# Altium PCB STguitar.PcbDoc (part 1 of 3) (continued)
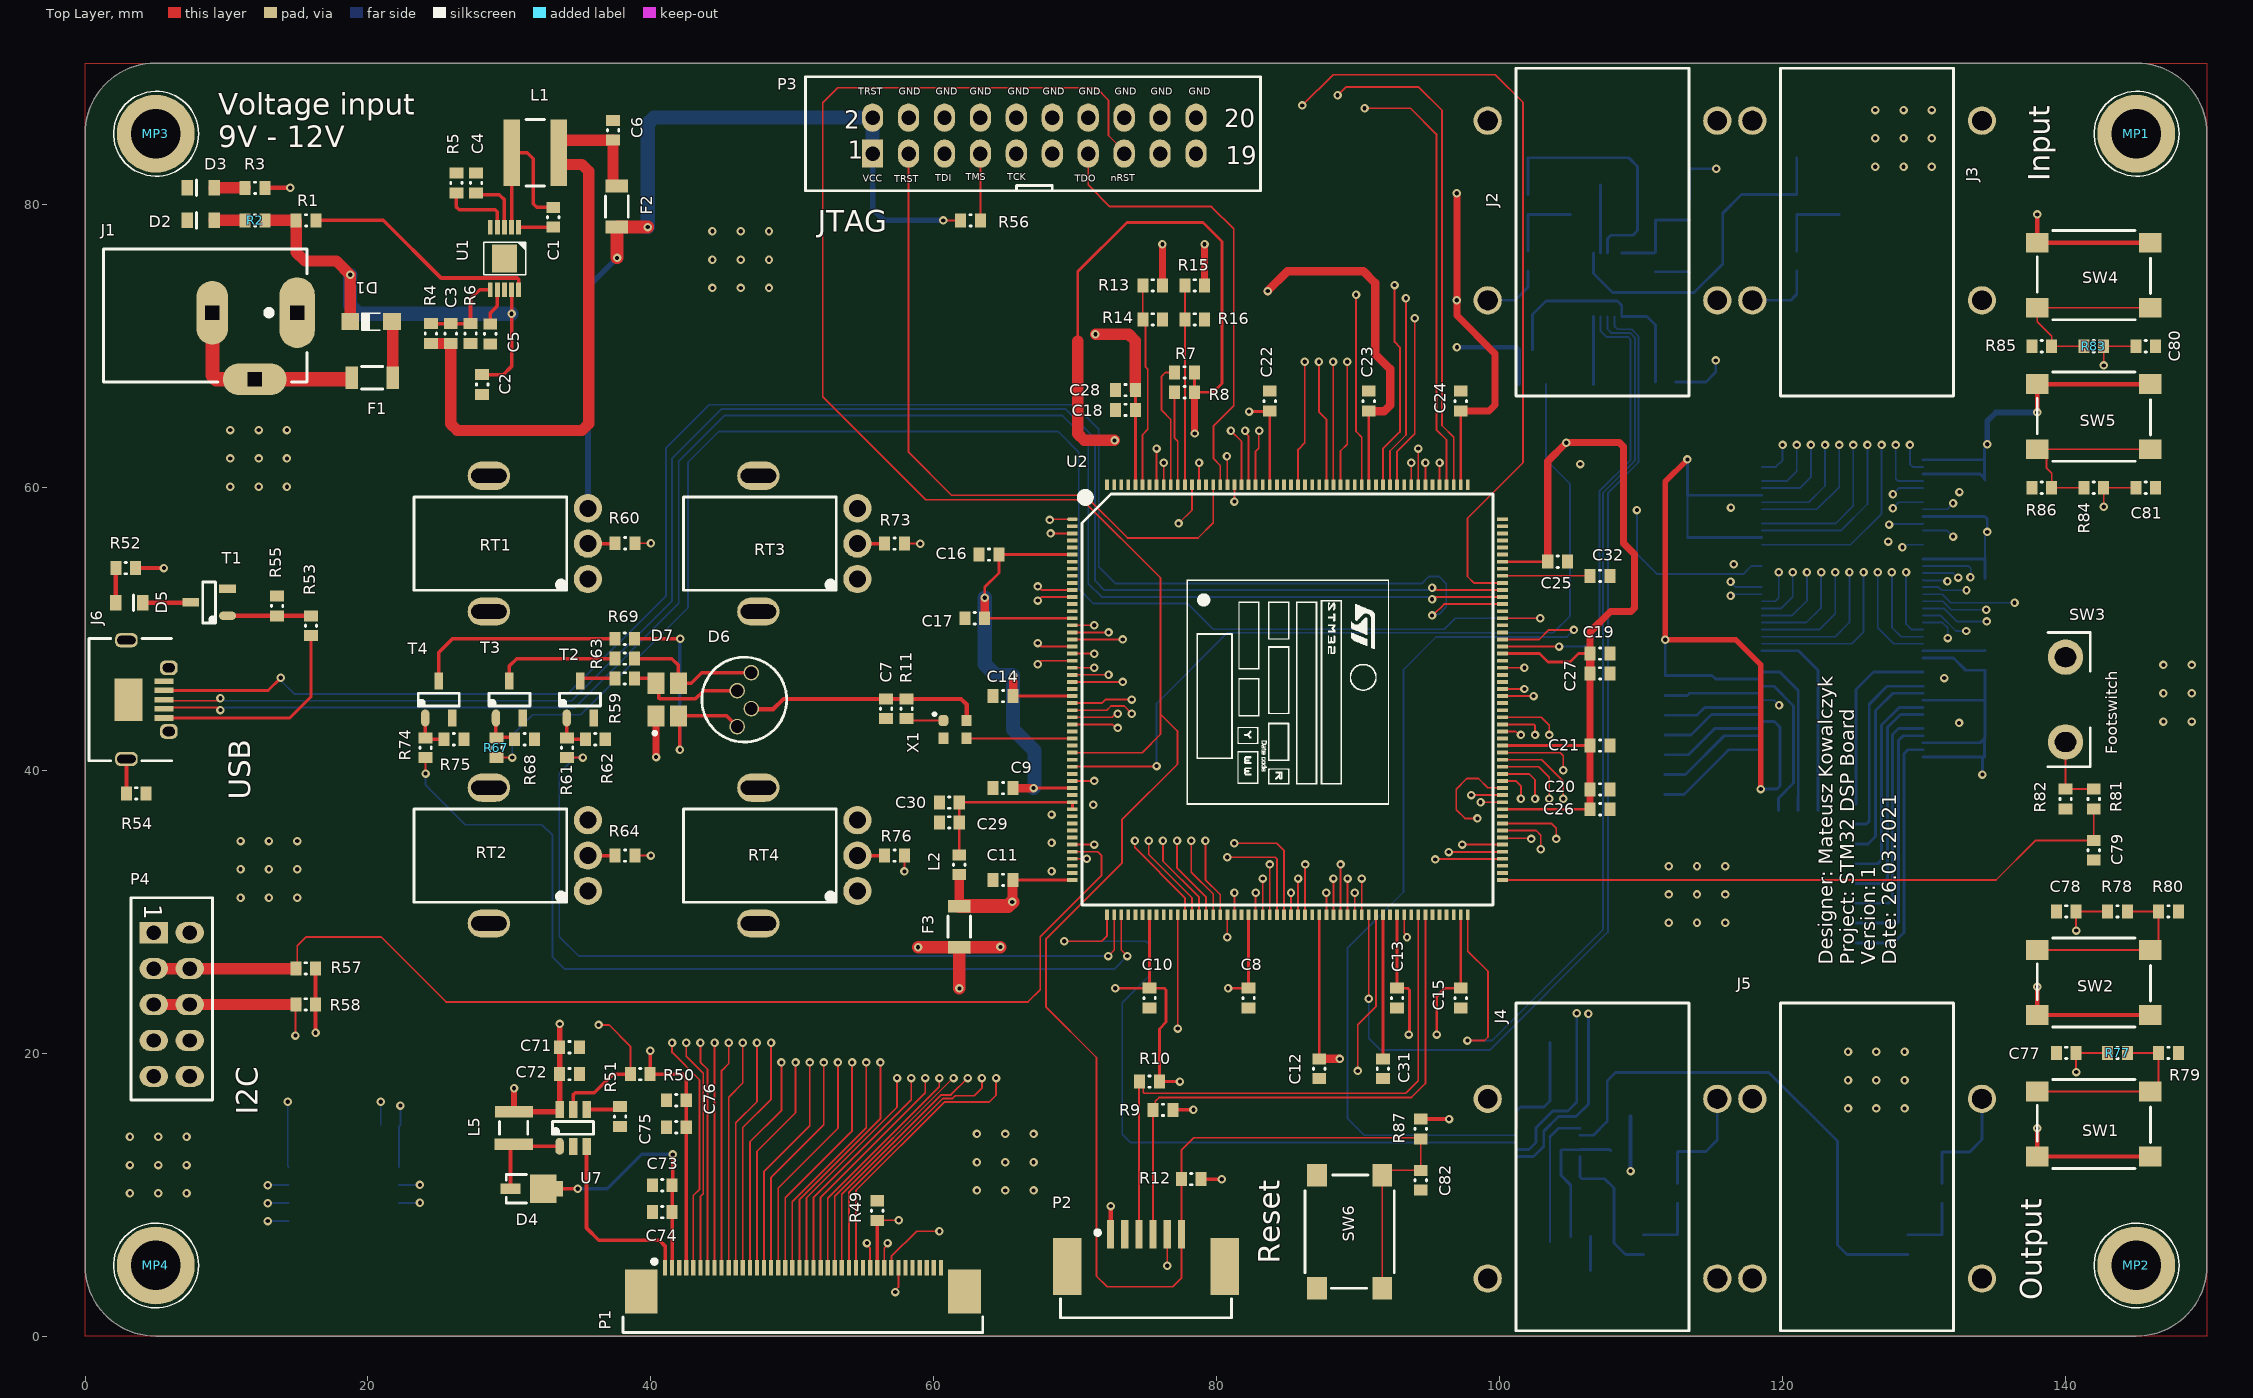
[diagram p0: Top Layer view]
## Footprints (in the part's own frame and the unit in brackets; to place one, negate y for a bottom-side part, rotate by r counter-clockwise, add the part's x,y. Pads: shape width x height; smd on the part's side, far side on the other; paste and mask are expansions set on the pad) (continued)
  rect 2.3x3.1 smd: S1(-11.42,-0.85) S2(11.42,-0.85)
  silkscreen extent -12.71,-3.75 12.71,1.42, body extent -12.71,-3.75 12.72,1.36, height 2
"MECHANICAL FFC 1MM 6 PIN" [mm]
  rect 0.5x2 smd: 1(-2.5,1.2) 2(-1.5,1.2) 3(-0.5,1.2) 4(0.5,1.2) 5(1.5,1.2) 6(2.5,1.2)
  rect 2x4 smd: ""(-5.575,-1.075) ""(5.575,-1.075)
  silkscreen extent -6.05,-4.7 6.05,1.47, body extent -6.15,-4.8 6.15,2, height 3.1
"MECHANICAL FOOTSWITCH SPST" [mm]
  round 2.5 hole 1.5 slot 1.4 at 0 deg: 1(-3,0) 2(3,0)
  silkscreen extent -4.75,-1.75 4.75,1.25
"MECHANICAL MICROUSB 47590-0001" [mm]
  rect 0.4x1.35 smd: 1(-1.3,-2.166) 2(-0.65,-2.166) 3(0,-2.166) 4(0.65,-2.166) 5(1.3,-2.166)
  rrect75% 1x1.6 hole 1.3 slot 0.6 at 0.33 deg: 6(-4.2,0.484)
  rrect75% 1.05x1.25 hole 0.85 slot 0.65 at 0.33 deg: 6(-2.25,-2.516)
  rrect75% 1.05x1.25 hole 0.85 slot 0.65 at 179.67 deg: 6(2.25,-2.516)
  rrect75% 1x1.6 hole 1.3 slot 0.6 at 179.67 deg: 6(4.2,0.484)
  rect 3x2 smd: ""(0,0.334)
  silkscreen extent -4.32,-2.72 4.33,3.13, body extent -4.32,-2.72 4.33,3.18, height 2.71
"MECHANICAL NMJ4HCD2" [mm]
  round 2 hole 1.4: 1(-4,8.115) 2(-4,-8.115) 3(-16.7,8.115) 4(-16.7,-8.115)
  silkscreen extent -23.47,-6.12 -0.3,6.12, body extent -23.53,-9.1 8.26,9.1, height 17.8
"MECHANICAL SCREW M3" [mm]
  round 5.5 hole 3.5: 0(0,0)
  silkscreen extent -2.97,-3 3.03,3, body extent -2.75,-2.75 2.75,2.75, height 3
"MECHANICAL TACITILE 6X6" [mm]
  rect 1.6x1.4 smd: 1(4,-2.3) 2(-4,-2.3) 3(4,2.3) 4(-4,2.3)
  silkscreen extent -4,-3.15 4,3.15, body extent -4,-3.15 4,3.15, height 3
MSOP-10 [mm]
  rect 1.016x0.343 smd: 1(-2.212,1) 2(-2.212,0.5) 3(-2.212,0) 4(-2.212,-0.5) 5(-2.212,-1) 6(2.2,-1) 7(2.2,-0.5) 8(2.212,0) 9(2.212,0.5) 10(2.212,1)
  rect 1.982x1.782 smd: 11(0,0)
  silkscreen extent -1.15,-1.48 1.15,1.5, body extent -2.51,-1.5 2.51,1.5, height 1.05
PLCC-4 [mm]
  rect 1.5x1.2 smd: 1(1.15,-0.8) 2(1.15,0.8) 3(-1.15,0.8) 4(-1.15,-0.8)
  silkscreen extent 2.27,-0.98 2.48,-0.77, body extent -1.75,-1.4 1.75,1.4, height 1.9
PTV9 [mm]
  round 2 hole 1.2: 1(-2.5,-7) 2(0,-7) 3(2.5,-7)
  oval 2x3 hole 2.5 slot 1 at 0 deg: ""(-4.8,0) ""(4.8,0)
  silkscreen extent -3.3,-5.5 3.3,5.3, body extent -5.7,-7.15 5.7,5.5, height 14.5
"RESISTOR 0603" [mm]
  rect 0.78x0.98 smd: 1(-0.7,0) 2(0.7,0)
  silkscreen extent -0.05,-0.4 0.05,0.4, body extent -0.85,-0.4 0.75,0.4, height 0.43
SC70-5 [mm]
  rect 0.7x1 smd: 1(-0.95,-1.2) 2(0,-1.2) 3(0.95,-1.2) 4(0.95,1.2) 5(-0.95,1.2)
  silkscreen extent -1.45,-0.45 1.45,0.45, body extent -1.05,-1.15 1.05,1.15, height 1
SOT23-3 [mm] "SOT23, 3-Leads, Body 2.9x1.3mm, Pitch 0.95mm, Lead Span 2.5mm, IPC High Density"
  oval 1.2x0.6 smd: 1(-1.3,0.95)
  rect 1.2x0.6 smd: 2(1.3,0) 3(-1.3,-0.95)
  silkscreen extent -0.45,-1.45 0.45,1.45, body extent -1.25,-1.5 1.25,1.5, height 1.06
SOT23-6 [mm]
  oval 1.2x0.6 smd: 1(-1.3,0.95)
  rect 1.2x0.6 smd: 2(-1.3,0) 3(-1.3,-0.95) 4(1.3,-0.95) 5(1.3,0) 6(1.3,0.95)
  silkscreen extent -0.45,-1.45 0.45,1.45, body extent -1.4,-1.45 1.4,1.45, height 1.45
TQFP208 [mm]
  oval 0.75x0.27 smd: 1(-15.2,12.75)
  rect 0.75x0.27 smd: 2(-15.2,12.25) 3(-15.2,11.75) 4(-15.2,11.25) 5(-15.2,10.75) 6(-15.2,10.25) 7(-15.2,9.75) 8(-15.2,9.25) 9(-15.2,8.75) 10(-15.2,8.25) 11(-15.2,7.75) 12(-15.2,7.25) 13(-15.2,6.75) 14(-15.2,6.25) 15(-15.2,5.75) 16(-15.2,5.25) 17(-15.2,4.75) 18(-15.2,4.25) 19(-15.2,3.75) 20(-15.2,3.25) 21(-15.2,2.75) 22(-15.2,2.25) 23(-15.2,1.75) 24(-15.2,1.25) 25(-15.2,0.75) 26(-15.2,0.25) 27(-15.2,-0.25) 28(-15.2,-0.75) 29(-15.2,-1.25) 30(-15.2,-1.75) 31(-15.2,-2.25) 32(-15.2,-2.75) 33(-15.2,-3.25) 34(-15.2,-3.75) 35(-15.2,-4.25) 36(-15.2,-4.75) 37(-15.2,-5.25) 38(-15.2,-5.75) 39(-15.2,-6.25) 40(-15.2,-6.75) 41(-15.2,-7.25) 42(-15.2,-7.75) 43(-15.2,-8.25) 44(-15.2,-8.75) 45(-15.2,-9.25) 46(-15.2,-9.75) 47(-15.2,-10.25) 48(-15.2,-10.75) 49(-15.2,-11.25) 50(-15.2,-11.75) 51(-15.2,-12.25) 52(-15.2,-12.75) 105(15.2,-12.75) 106(15.2,-12.25) 107(15.2,-11.75) 108(15.2,-11.25) 109(15.2,-10.75) 110(15.2,-10.25) 111(15.2,-9.75) 112(15.2,-9.25) 113(15.2,-8.75) 114(15.2,-8.25) 115(15.2,-7.75) 116(15.2,-7.25) 117(15.2,-6.75) 118(15.2,-6.25) 119(15.2,-5.75) 120(15.2,-5.25) 121(15.2,-4.75) 122(15.2,-4.25) 123(15.2,-3.75) 124(15.2,-3.25) 125(15.2,-2.75) 126(15.2,-2.25) 127(15.2,-1.75) 128(15.2,-1.25) 129(15.2,-0.75) 130(15.2,-0.25) 131(15.2,0.25) 132(15.2,0.75) 133(15.2,1.25) 134(15.2,1.75) 135(15.2,2.25) 136(15.2,2.75) 137(15.2,3.25) 138(15.2,3.75) 139(15.2,4.25) 140(15.2,4.75) 141(15.2,5.25) 142(15.2,5.75) 143(15.2,6.25) 144(15.2,6.75) 145(15.2,7.25) 146(15.2,7.75) 147(15.2,8.25) 148(15.2,8.75) 149(15.2,9.25) 150(15.2,9.75) 151(15.2,10.25) 152(15.2,10.75) 153(15.2,11.25) 154(15.2,11.75) 155(15.2,12.25) 156(15.2,12.75)
  rect 0.27x0.75 smd: 53(-12.75,-15.2) 54(-12.25,-15.2) 55(-11.75,-15.2) 56(-11.25,-15.2) 57(-10.75,-15.2) 58(-10.25,-15.2) 59(-9.75,-15.2) 60(-9.25,-15.2) 61(-8.75,-15.2) 62(-8.25,-15.2) 63(-7.75,-15.2) 64(-7.25,-15.2) 65(-6.75,-15.2) 66(-6.25,-15.2) 67(-5.75,-15.2) 68(-5.25,-15.2) 69(-4.75,-15.2) 70(-4.25,-15.2) 71(-3.75,-15.2) 72(-3.25,-15.2) 73(-2.75,-15.2) 74(-2.25,-15.2) 75(-1.75,-15.2) 76(-1.25,-15.2) 77(-0.75,-15.2) 78(-0.25,-15.2) 79(0.25,-15.2) 80(0.75,-15.2) 81(1.25,-15.2) 82(1.75,-15.2) 83(2.25,-15.2) 84(2.75,-15.2) 85(3.25,-15.2) 86(3.75,-15.2) 87(4.25,-15.2) 88(4.75,-15.2) 89(5.25,-15.2) 90(5.75,-15.2) 91(6.25,-15.2) 92(6.75,-15.2) 93(7.25,-15.2) 94(7.75,-15.2) 95(8.25,-15.2) 96(8.75,-15.2) 97(9.25,-15.2) 98(9.75,-15.2) 99(10.25,-15.2) 100(10.75,-15.2) 101(11.25,-15.2) 102(11.75,-15.2) 103(12.25,-15.2) 104(12.75,-15.2) 157(12.75,15.2) 158(12.25,15.2) 159(11.75,15.2) 160(11.25,15.2) 161(10.75,15.2) 162(10.25,15.2) 163(9.75,15.2) 164(9.25,15.2) 165(8.75,15.2) 166(8.25,15.2) 167(7.75,15.2) 168(7.25,15.2) 169(6.75,15.2) 170(6.25,15.2) 171(5.75,15.2) 172(5.25,15.2) 173(4.75,15.2) 174(4.25,15.2) 175(3.75,15.2) 176(3.25,15.2) 177(2.75,15.2) 178(2.25,15.2) 179(1.75,15.2) 180(1.25,15.2) 181(0.75,15.2) 182(0.25,15.2) 183(-0.25,15.2) 184(-0.75,15.2) 185(-1.25,15.2) 186(-1.75,15.2) 187(-2.25,15.2) 188(-2.75,15.2) 189(-3.25,15.2) 190(-3.75,15.2) 191(-4.25,15.2) 192(-4.75,15.2) 193(-5.25,15.2) 194(-5.75,15.2) 195(-6.25,15.2) 196(-6.75,15.2) 197(-7.25,15.2) 198(-7.75,15.2) 199(-8.25,15.2) 200(-8.75,15.2) 201(-9.25,15.2) 202(-9.75,15.2) 203(-10.25,15.2) 204(-10.75,15.2) 205(-11.25,15.2) 206(-11.75,15.2) 207(-12.25,15.2) 208(-12.75,15.2)
  silkscreen extent -14.59,-14.53 14.53,14.59, body extent -15.29,-15.29 15.29,15.29, height 3.5
TSOP86 [mm]
  oval 0.835x0.27 smd: 1(-5.7,10.5)
  rect 0.835x0.27 smd: 2(-5.7,10) 3(-5.7,9.5) 4(-5.7,9) 5(-5.7,8.5) 6(-5.7,8) 7(-5.7,7.5) 8(-5.7,7) 9(-5.7,6.5) 10(-5.7,6) 11(-5.7,5.5) 12(-5.7,5) 13(-5.7,4.5) 14(-5.7,4) 15(-5.7,3.5) 16(-5.7,3) 17(-5.7,2.5) 18(-5.7,2) 19(-5.7,1.5) 20(-5.7,1) 21(-5.7,0.5) 22(-5.7,0) 23(-5.7,-0.5) 24(-5.7,-1) 25(-5.7,-1.5) 26(-5.7,-2) 27(-5.7,-2.5) 28(-5.7,-3) 29(-5.7,-3.5) 30(-5.7,-4) 31(-5.7,-4.5) 32(-5.7,-5) 33(-5.7,-5.5) 34(-5.7,-6) 35(-5.7,-6.5) 36(-5.7,-7) 37(-5.7,-7.5) 38(-5.7,-8) 39(-5.7,-8.5) 40(-5.7,-9) 41(-5.7,-9.5) 42(-5.7,-10) 43(-5.7,-10.5) 44(5.7,-10.5) 45(5.7,-10) 46(5.7,-9.5) 47(5.7,-9) 48(5.7,-8.5) 49(5.7,-8) 50(5.7,-7.5) 51(5.7,-7) 52(5.7,-6.5) 53(5.7,-6) 54(5.7,-5.5) 55(5.7,-5) 56(5.7,-4.5) 57(5.7,-4) 58(5.7,-3.5) 59(5.7,-3) 60(5.7,-2.5) 61(5.7,-2) 62(5.7,-1.5) 63(5.7,-1) 64(5.7,-0.5) 65(5.7,0) 66(5.7,0.5) 67(5.7,1) 68(5.7,1.5) 69(5.7,2) 70(5.7,2.5) 71(5.7,3) 72(5.7,3.5) 73(5.7,4) 74(5.7,4.5) 75(5.7,5) 76(5.7,5.5) 77(5.7,6) 78(5.7,6.5) 79(5.7,7) 80(5.7,7.5) 81(5.7,8) 82(5.7,8.5) 83(5.7,9) 84(5.7,9.5) 85(5.7,10) 86(5.7,10.5)
  silkscreen extent -4.97,-10.87 4.97,10.9, body extent -5.89,-10.99 5.89,11, height 1.06
TSSOP10 [mm]
  rect 0.3x1 smd: 1(-1,-2.25) 2(-0.5,-2.25) 3(0,-2.25) 4(0.5,-2.25) 5(1,-2.25) 6(1,2.25) 7(0.5,2.25) 8(0,2.25) 9(-0.5,2.25) 10(-1,2.25)
  silkscreen extent -1.45,-1.5 1.45,1.5, body extent -1.5,-2.5 1.5,2.5, height 1.1
WDFN8 [mm]
  oval 1x0.55 smd: 1(-3.9,1.905)
  rect 1x0.55 smd: 2(-3.9,0.635) 3(-3.9,-0.635) 4(-3.9,-1.905) 5(3.9,-1.905) 6(3.9,-0.635) 7(3.9,0.635) 8(3.9,1.905)
  rect 4.5x4.5 smd: 9(0,0)
  silkscreen extent -3.1,-3 3.1,3, body extent -4.05,-3 4.05,3, height 0.8

## Part data
C1 C7 C8 C9 C10 C11 C12 C13 C14 C15 C16 C17 C18 C19 C20 C21 C22 C23 C24 C29 C33 C35 C38 C40 C43 C45 C47 C51 C54 C56 C57 C58 C59 C60 C61 C62 C63 C64 C65 C66 C67 C68 C69 C70 C71 C73 C76 C77 C78 C79 C80 C81 C82: library part "Capacitor 100n 10% 0603 EMK107B7104KA-T", "Multilayer Ceramic Capacitors MLCC - SMD/SMT 0603 16VDC 0.1uF 10% X7R", Manufacturer="Taiyo Yuden", Manufacturer Part Number=EMK107B7104KA-T, Datasheet=https://pl.mouser.com/datasheet/2/396/mlcc02_e-1307760.pdf, Type=SMD
C2 C6: library part "Capacitor 22u 10% 0603 CL10A226MO7JZNC", "Multilayer Ceramic Capacitors MLCC - SMD/SMT 22uF+/-20% 16V X5R 1608", Manufacturer="Samsung Electro-Mechanics", Manufacturer Part Number=CL10A226MO7JZNC, Datasheet=https://pl.mouser.com/datasheet/2/585/MLCC-1837944.pdf, Type=SMD
C3: library part "Capacitor 10p 10% 0603 0603YC100KAT2A", "Multilayer Ceramic Capacitors MLCC - SMD/SMT 16V 10pF X7R 0603 10%", Manufacturer=AVX, Manufacturer Part Number=0603YC100KAT2A, Datasheet=https://pl.mouser.com/datasheet/2/40/X7RDielectric-777024.pdf, Type=SMD
C4 C30 C36 C39 C41 C42 C52 C53: library part "Capacitor 1u 10% 0603 EMK107B7105KA-T", "Multilayer Ceramic Capacitors MLCC - SMD/SMT 0603 16VDC 1uF 10% X7R", Manufacturer="Taiyo Yuden", Manufacturer Part Number=EMK107B7105KA-T, Datasheet=https://pl.mouser.com/datasheet/2/396/mlcc02_e-1307760.pdf, Type=SMD
C5: library part "Capacitor 10n 10% 0603 EMK107SD103KA-T", "Multilayer Ceramic Capacitors MLCC - SMD/SMT 0603 16VDC 10nF 10% Low Distort", Manufacturer="Taiyo Yuden", Manufacturer Part Number=EMK107SD103KA-T, Datasheet=https://pl.mouser.com/datasheet/2/396/mlcc02_e-1307760.pdf, Type=SMD
C25 C26 C27 C28 C34 C46 C72 C74 C75: library part "Capacitor 4.7u 10% 0603 EMK107ABJ475KA-T", "Multilayer Ceramic Capacitors MLCC - SMD/SMT 0603 16VDC 4.7uF 10% X5R", Manufacturer="Taiyo Yuden", Manufacturer Part Number=EMK107ABJ475KA-T, Datasheet=https://pl.mouser.com/datasheet/2/396/mlcc02_e-1307760.pdf, Type=SMD
C31 C32 C48 C50: library part "Capacitor 2.2u 10% 0603 EMK107BJ225KA-T", "Multilayer Ceramic Capacitors MLCC - SMD/SMT 0603 16VDC 2.2uF 10% X5R", Manufacturer="Taiyo Yuden", Manufacturer Part Number=EMK107BJ225KA-T, Datasheet=https://pl.mouser.com/datasheet/2/396/mlcc02_e-1307760.pdf, Type=SMD
C37 C44: library part "Capacitor 220p 10% 0603 HMK107SD221KA-T", "Multilayer Ceramic Capacitors MLCC - SMD/SMT 0603 100VDC 220pF 20% NPO MID HIGH VOL", Manufacturer="Taiyo Yuden", Manufacturer Part Number=HMK107SD221KA-T, Datasheet=https://pl.mouser.com/datasheet/2/396/mlcc06_e-1892430.pdf, Type=SMD
C49 C55: library part "Capacitor 2.7n 10% 0603 UMK107SD272KA-T", "Multilayer Ceramic Capacitors MLCC - SMD/SMT 0603 50VDC 2.7nF 10% Low Distort", Manufacturer="Taiyo Yuden", Manufacturer Part Number=UMK107SD272KA-T, Datasheet=https://pl.mouser.com/datasheet/2/396/mlcc02_e-1307760.pdf, Type=SMD
D1: library part "Diode Schottky Diodes2A 30V SCHOTTKY MBR230LSFT1G", "Schottky Diodes & Rectifiers 2A 30V SCHOTTKY", Manufacturer="ON Semiconductor / Fairchild", Datasheet=https://pl.mouser.com/datasheet/2/308/MBR230LSFT1_D-1811015.pdf, Manufacturer Part Number=MBR230LSFT1G, Type=SMD
D2 D3 D5: library part "Diode Standard LEDs - SMD 0805 Dome Lens LED Green- 570nm APTD2012LCGCK", "Standard LEDs - SMD 0805 Dome Lens LED Green- 570nm", Manufacturer=Kingbright, Manufacturer Part Number=APTD2012LCGCK, Datasheet=https://pl.mouser.com/datasheet/2/216/APTD2012LCGCK-1102037.pdf, Type=SMD
D4: library part "Diode Schottky Diodes & Rectifiers 1.0 Amp 40 Volt STPS1L40M", "Schottky Diodes & Rectifiers 1.0 Amp 40 Volt", Manufacturer="ON Semiconductor / Fairchild", Datasheet=https://pl.mouser.com/datasheet/2/389/cd00003015-1795949.pdf, Manufacturer Part Number=STPS1L40M, Type=SMD
D6: library part "Diode Standard LEDs - Through Hole 5MM RGB LED", "Standard LEDs - Through Hole 5MM RGB LED", Manufacturer=Kingbright, Manufacturer Part Number=WP154A4SEJ3VBDZGC/CA, Datasheet=https://pl.mouser.com/datasheet/2/216/WP154A4SEJ3VBDZGC-CA-1145208.pdf, Type=THT
D7: library part "Diode Standard LEDs - SMD 2121 PLCC4 tricolor", "Standard LEDs - SMD 2121 PLCC4 tricolor", Manufacturer="Broadcom / Avago", Manufacturer Part Number=ASMB-LTB2-0A333, Datasheet=https://pl.mouser.com/datasheet/2/678/ASMB-LTB2-0A333-DS101-1827213.pdf, Type=SMD
F1 F2 F3: library part "Fuse 1206 SMT Fuse Fast Acting, 1A", "Surface Mount Fuses 1206 SMT Fuse Fast Acting, 1A", Manufacturer="Bel Fuse", Manufacturer Part Number="C1F 1", Datasheet=https://pl.mouser.com/datasheet/2/643/ds-CP-c1f-series-1313112.pdf, Type=SMD
J1: library part "Mechanical DC Power Connectors Power Jacks", "DC Power Connectors Power Jacks", Datasheet=https://pl.mouser.com/datasheet/2/670/pj_002a-1778764.pdf, Manufacturer=https://pl.mouser.com/datasheet/2/670/pj_002a-1778764.pdf, Manufacturer Part Number=PJ-002A, Type=THT
J2 J3 J4 J5: library part "Mechanical JACK Phone Connectors 2C MONO 2-SPST NC", "Phone Connectors 2C MONO 2-SPST NC", Manufacturer=Neutrik, Datasheet=https://pl.mouser.com/datasheet/2/289/nmj4hcd2-1853956.pdf, Manufacturer Part Number=NMJ4HCD2, Type=THT
J6: library part "Mechanical USB Connectors MICRO USB AB RECPT RA SMT TOP MNT ASSY", "USB Connectors MICRO USB AB RECPT RA SMT TOP MNT ASSY", Manufacturer=Molex, Manufacturer Part Number=47590-0001, Datasheet=https://pl.mouser.com/datasheet/2/276/0475900001_IO_CONNECTORS-704847.pdf, Type=SMD/THT
L1: library part "Inductor Fixed Inductors 2.2uH Shld 20% 9.2A 14.5mOhms AECQ2", "Fixed Inductors 2.2uH Shld 20% 9.2A 14.5mOhms AECQ2", Manufacturer=Coilcraft, Manufacturer Part Number=XAL5030-222MEB, Datasheet=https://pl.mouser.com/datasheet/2/597/xal50xx-270657.pdf, Type=SMD
L2 L3 L4: library part "Inductor 600R 1% 0603 HZ0603C601R-10", "Ferrite Beads 600ohms 100MHz 300mA Monolithic 0603 SMD", Manufacturer="Laird Performance Materials", Manufacturer Part Number=HZ0603C601R-10, Datasheet=https://www.mouser.com/catalog/specsheets/Laird_10092020_Laird%20MCP%20Catalog-EMI%20Filtering%20and%20RF%20Inductor%20Sep%202020.pdf, Type=SMD
L5: library part "Inductor FIXED IND 6.8UH 900MA 295 MOHM ASPI-2515-6R8M-T2", "Fixed Inductors FIXED IND 6.8UH 900MA 295 MOHM", Manufacturer=ABRACON, Manufacturer Part Number=ASPI-2515-6R8M-T2, Datasheet=https://pl.mouser.com/datasheet/2/3/ASPI_2515-1774975.pdf, Type=SMD
MP1 MP2 MP3 MP4: library part "Mechanical screw M3"
P1: library part "Mechanical FFC & FPC Connectors FPC CONN 0.5MM PITCH B/C 40P 4-1734592-0", "FFC & FPC Connectors FPC CONN 0.5MM PITCH B/C 40P", Manufacturer="TE Connectivity", Datasheet=https://www.te.com/commerce/DocumentDelivery/DDEController?Action=srchrtrv&DocNm=1734592&DocType=Customer+Drawing&DocLang=English&PartCntxt=4-1734592-0&DocFormat=pdf, Manufacturer Part Number=4-1734592-0, Type=SMD
P2: library part "Mechanical FFC & FPC Connectors 1.0 FFC Non ZIF HsgA ssySMT 6CktEmbsTpPkg 52793-0670", "FFC & FPC Connectors 1.0 FFC Non ZIF HsgA ssySMT 6CktEmbsTpPkg", Manufacturer=Molex, Datasheet=https://pl.mouser.com/datasheet/2/276/0527930670_FFC_FPC_CONNECTORS-170651.pdf, Manufacturer Part Number=52793-0670, Type=SMD
P3: library part "Mechanical Headers & Wire Housings .100\" Shrouded Terminal Strip, Cable Mate TST-110-01-G-D", "Headers & Wire Housings .100\" Shrouded Terminal Strip, Cable Mate", Manufacturer=Samtec, Datasheet=https://pl.mouser.com/datasheet/2/527/tst_th-1345646.pdf, Manufacturer Part Number=TST-110-01-G-D, Type=THT
P4: library part "Mechanical Headers & Wire Housings ECONOSTIK HEADER DR VT TH 2X5", "Headers & Wire Housings ECONOSTIK HEADER DR VT TH 2X5", Manufacturer="Amphenol FCI", Datasheet=https://www.amphenol-icc.com/media/wysiwyg/files/documentation/datasheet/boardwiretoboard/bwb_econostik_254headers.pdf, Manufacturer Part Number=10129381-910001BLF, Type=THT
R1 R11 R12 R13 R14 R15 R16 R20 R21 R27 R29 R30 R31 R32 R33 R34 R35 R36 R37 R38 R39 R40 R41 R42 R43 R44 R45 R46 R47 R48 R56 R77 R78 R79 R80 R81 R82 R83 R84 R85 R86 R87: library part "Resistor 10k 1% 0603 RT0603FRE0710KL", "Thin Film Resistors - SMD 10K ohm 1% 1/10W", Manufacturer=Yageo, Manufacturer Part Number=RT0603FRE0710KL, Datasheet=https://pl.mouser.com/datasheet/2/447/PYu_RT_1_to_0_01_RoHS_L_11-1669912.pdf, Type=SMD
R2 R7 R8 R9 R10: library part "Resistor 2.7k 1% 0603 RT0603FRE072K7L", "Thin Film Resistors - SMD 1/10W 2.7K ohm 1% 50ppm", Manufacturer=Yageo, Manufacturer Part Number=RT0603FRE072K7L, Datasheet=https://pl.mouser.com/datasheet/2/447/PYu_RT_1_to_0_01_RoHS_L_11-1669912.pdf, Type=SMD
R3 R51: library part "Resistor 620R 1% 0603 RT0603FRE07620RL", "Thin Film Resistors - SMD 620 OHM 1% 50PPM 1/10W", Manufacturer=Yageo, Manufacturer Part Number=RT0603FRE07620RL, Datasheet=https://pl.mouser.com/datasheet/2/447/PYu_RT_1_to_0_01_RoHS_L_11-1669912.pdf, Type=SMD
R4: library part "Resistor 1Meg 1% 0603 RT0603FRE071ML", "Thin Film Resistors - SMD 1M OHM 1% 50PPM 1/10W", Manufacturer=Yageo, Manufacturer Part Number=RT0603FRE071ML, Datasheet=https://pl.mouser.com/datasheet/2/447/PYu_RT_1_to_0_01_RoHS_L_11-1669912.pdf, Type=SMD
R5: library part "Resistor 18.2k 1% 0603 RT0603FRE0718K2L", "Thin Film Resistors - SMD 1/10W 18.2K ohm 1% 50ppm", Manufacturer=Yageo, Manufacturer Part Number=RT0603FRE0718K2L, Datasheet=https://pl.mouser.com/datasheet/2/447/PYu_RT_1_to_0_01_RoHS_L_11-1669912.pdf, Type=SMD
R6: library part "Resistor 309k 1% 0603 RT0603FRE07309KL", "Thin Film Resistors - SMD 1/10W 309K ohm 1% 50ppm", Manufacturer=Yageo, Manufacturer Part Number=RT0603FRE07309KL, Datasheet=https://pl.mouser.com/datasheet/2/447/PYu_RT_1_to_0_01_RoHS_L_11-1669912.pdf, Type=SMD
R17 R19 R23 R24 R49 R50 R57 R58: library part "Resistor 5.1k 1% 0603 RT0603FRE075K1L", "Thin Film Resistors - SMD 1/10W 5.1K ohm 1% 50ppm", Manufacturer=Yageo, Manufacturer Part Number=RT0603FRE075K1L, Datasheet=https://pl.mouser.com/datasheet/2/447/PYu_RT_1_to_0_01_RoHS_L_11-1669912.pdf, Type=SMD
R18 R25 R54: library part "Resistor 1R 1% 0603 RT0603FRE071RL", "Thin Film Resistors - SMD 1/10W 1 ohm ohm 50 ppm", Manufacturer=Yageo, Manufacturer Part Number=RT0603FRE071RL, Datasheet=https://pl.mouser.com/datasheet/2/447/PYu_RT_1_to_0_01_RoHS_L_11-1669912.pdf, Type=SMD
R26 R28: library part "Resistor 470R 1% 0603 RT0603FRE07470RL", "Thin Film Resistors - SMD 1/10W 470 ohm 1% 50ppm", Manufacturer=Yageo, Manufacturer Part Number=RT0603FRE07470RL, Datasheet=https://pl.mouser.com/datasheet/2/447/PYu_RT_1_to_0_01_RoHS_L_11-1669912.pdf, Type=SMD
R52 R59 R63 R69: library part "Resistor 220R 1% 0603 RT0603FRE07220RL", "Thin Film Resistors - SMD 1/10W 220 ohm 1% 50ppm", Manufacturer=Yageo, Manufacturer Part Number=RT0603FRE07220RL, Datasheet=https://pl.mouser.com/datasheet/2/447/PYu_RT_1_to_0_01_RoHS_L_11-1669912.pdf, Type=SMD
R53 R61 R67 R74: library part "Resistor 47k 1% 0603 RT0603FRE0747KL", "Thin Film Resistors - SMD 1/10W 47K ohm 1% 50ppm", Manufacturer=Yageo, Manufacturer Part Number=RT0603FRE0747KL, Datasheet=https://pl.mouser.com/datasheet/2/447/PYu_RT_1_to_0_01_RoHS_L_11-1669912.pdf, Type=SMD
R55 R60 R62 R64 R68 R73 R75 R76: library part "Resistor 100k 1% 0603 RT0603FRE07100KL", "Thin Film Resistors - SMD 100K ohm 1% 1/10W", Manufacturer=Yageo, Manufacturer Part Number=RT0603FRE07100KL, Datasheet=https://pl.mouser.com/datasheet/2/447/PYu_RT_1_to_0_01_RoHS_L_11-1669912.pdf, Type=SMD
RT1 RT2 RT3 RT4: library part "Potentiometer PANEL CONTROL - 9MM-ST-CA 50 kohms 15 mm", "PANEL CONTROL - 9MM-ST-CA 50 kohms 15 mm", Manufacturer=Bourns, Manufacturer Part Number=PTV09A-4015U-B503, Datasheet=https://pl.mouser.com/datasheet/2/54/ptv09-777818.pdf, Type=THT
SW1 SW2 SW4 SW5 SW6: library part "Mechanical Tactile Switches Tactile Switch B3FS-1012P", "Tactile Switches Tactile Switch", Manufacturer="Omron Electronics", Datasheet=https://pl.mouser.com/datasheet/2/307/omron_B3FS-1189765.pdf, Manufacturer Part Number=B3FS-1012P, Type=SMD
SW3: library part "Mechanical Pushbutton Switches SP ON-OFF SOLDER LUG", "Pushbutton Switches SP ON-OFF SOLDER LUG", Manufacturer="Carling Technologies", Manufacturer Part Number=64111210, Datasheet=https://pl.mouser.com/datasheet/2/65/641-Series_Details__26_COS_020513-225963.pdf, Type=PANEL
T1 T2 T3 T4: library part "Transistor Bipolar Transistor - BJT NPN Transistor General Purpose", "Bipolar Transistors - BJT NPN Transistor General Purpose", Manufacturer="ON Semiconductor / Fairchild", Datasheet=https://pl.mouser.com/datasheet/2/308/BSR14-D-1802416.pdf, Manufacturer Part Number=BSR14, Type=SMD
U1: library part "IC Switching Voltage Regulators 42V, 2A/3A Peak Sync Buck Reg w/ 2.5uA LT8609AEMSE#PBF", "Switching Voltage Regulators 42V, 2A Synchronous Step-Down Regulator with 2.5uA Quiescent Current", Manufacturer="Analog Devices", Datasheet=https://pl.mouser.com/datasheet/2/609/LT8609_8609A_8609B-1551398.pdf, Manufacturer Part Number=LT8609AEMSE#PBF, Type=SMD
U2: library part "IC MCU 32BIT 1MB FLASH 208LQFP STM32F746BGT6", "MCU, 32BIT, CORTEX-M7, 216MHZ, LQFP-208; Architecture:ARM Cortex-M7; Program Memory Size:1MB; RAM Memory Size:320KB; CPU Speed:216MHz; No. of I/Os:168; MCU Case Style:LQFP; No. of Pins:208; Embedded Interface Type:CAN, Ethernet, I2C, SPI, UART, USART, USB; Supply Voltage Min:1.7V; Supply Voltage Max:3.6V; Packaging:Each; MSL:MSL 3 - 168 hours", Manufacturer=STMicroelectronics, Datasheet=https://pl.mouser.com/datasheet/2/389/dm00166116-1798632.pdf, Manufacturer Part Number=STM32F746BGT6, Type=SMD
U3: library part "IC Audio A/D Converter ICs IC 98dB 24-bit 96kHz Stereo ADC CS5343-CZZR", "Audio A/D Converter ICs IC 98dB 24-bit 96kHz Stereo ADC", Manufacturer="Cirrus Logic", Datasheet=https://pl.mouser.com/datasheet/2/76/CS5343_44_F5-1142054.pdf, Manufacturer Part Number=CS5343-CZZR, Type=SMD
U4: library part "IC Audio D/A Converter ICs Stereo DAC 24-Bit 192kHz CS4344-DZZ", "Audio D/A Converter ICs Stereo DAC 24-Bit 192kHz", Manufacturer="Cirrus Logic", Datasheet=https://pl.mouser.com/datasheet/2/76/CS4344_45_48_F2-1141644.pdf, Manufacturer Part Number="Audio D/A Converter ICs Stereo DAC 24-Bit 192kHz", Type=SMD
U5: library part "IC DRAM 128M 4Mx32 143Mhz SDRAM, 3.3V IS42S32400F-7TLI-TR", "DRAM 128M 4Mx32 143Mhz SDRAM, 3.3v", Manufacturer=ISSI, Datasheet=https://pl.mouser.com/datasheet/2/198/42-45S32400F-258273.pdf, Manufacturer Part Number=IS42S32400F-7TLI-TR, Type=SMD
U6: library part "IC NOR Flash SPI FLASH NOR SLC 32MX4 WPDFN MT25QL128ABA1EW9-0SIT TR", "NOR Flash SPI FLASH NOR SLC 32MX4 WPDFN", Manufacturer=Micron, Datasheet=https://pl.mouser.com/datasheet/2/671/MT25Q_QLHS_L_128_ABA_0-1287003.pdf, Manufacturer Part Number="MT25QL128ABA1EW9-0SIT TR", Type=SMD
U7: library part "IC LED Lighting Drivers Boost Regulator LED Driver", "LED Lighting Drivers Boost Regulator LED Driver", Manufacturer="Analog Devices", Datasheet=https://pl.mouser.com/datasheet/2/609/1932f-1269198.pdf, Manufacturer Part Number=LT1932ES6#TRMPBF, Type=SMD
U8: library part "IC Buffers & Line Drivers UHS Buffer NC7SZ126P5X", "Buffers & Line Drivers UHS Buffer", Manufacturer="ON Semiconductor / Fairchild", Datasheet=https://pl.mouser.com/datasheet/2/308/NC7SZ126-D-1812272.pdf, Manufacturer Part Number=NC7SZ126, Type=SMD
X1: library part "Crystal 25MHz 2.5 mm x 2 mm DSC6101JA2B-025.0000", "Standard Clock Oscillators Ultra-low Power MEMS Oscillator, 2520,-40C to+125C, 25ppm", Manufacturer="Microchip Technology", Manufacturer Part Number=DSC6101JA2B-025.0000, Datasheet=https://pl.mouser.com/datasheet/2/268/DSC61xxB-Ultra-Small-Ultra-Low-Power-MEMS-Oscillat-1660330.pdf, Type=SMD

## Via types
v1: diameter 0.6, hole 0.3, Top Layer to Bottom Layer, 342 vias

## Nets (pads, with @x,y where several pads share a name; then routed paths per layer and width w, separated by ;. In a path a pad name is that pad's centre, name@x,y a point inside that pad or via, vN(x,y) a via of type N, cw(c..) or ccw(c..) an arc to the next point about the centre after c; other vN are vias at no path point)
+3V3: C7.2 C33.2 C38.2 C45.2 C56.2 C57.2 C58.2 C59.2 C60.2 C61.2 C62.2 C63.2 C64.2 C65.2 C66.2 C67.2 C68.2 C69.2 C70.2 C71.2 C72.2 C75.2 C76.2 D6.2 D7.1 F2.2 F3.2 L3.1 L4.1 L5.1 P1.4 P2.1 P3.1 P3.2 P4.1 P4.2 R3.2 R11.2 R13.1 R15.1 R20.2 R48.2 R50.1 R52.2 R56.2 R57.2 R58.2 R87.2 RT1.3 RT2.3 RT3.3 RT4.3 SW1.3 SW1.4 SW2.3 SW2.4 SW3.2 SW4.3 SW4.4 SW5.3 SW5.4 U5.1 U5.3 U5.9 U5.15 U5.29 U5.35 U5.41 U5.43 U5.49 U5.55 U5.75 U5.81 U6.8 U7.6 U8.1 U8.5 X1.4 | length 351.2
  Top Layer w0.127: v1@37.6,76.229 v1(37.607,76.222) ; v1@39.771,78.4 v1(39.778,78.407) ; v1(60.675,78.875) R56.2@61.9,78.875 ; v1@61.8,24.6 v1(61.814,24.586)
  Top Layer w0.25: v1(39.95,20.175) R50.1@39.95,18.525 42.25,18.525 42.5,18.275 C76.2@42.5,16.675 P1.4@42.5,4.85
  Top Layer w0.3: R52.2@3.575,54.3 v1(5.575,54.3) ; R3.2@12.725,81.175 v1(14.5,81.175) ; v1(16.3,21.45) R58.2@16.3,23.45 R57.2@16.3,26 ; D6.2@47.1,44.365 47.14,44.325 48.65,44.325 49.375,45.05 C7.2@56.625,45.05 R11.2@58.075,45.05 61.925,45.05 62.325,44.65 X1.4@62.325,43.525 ; P2.1@72.5,7.2 v1(72.5,9.2) ; R87.2@94.425,15.35 v1(96.425,15.35) ; v1(138,14.7) SW1.3@138,12.7 SW1.4@146,12.7 ; v1(138,24.7) SW2.3@138,22.7 SW2.4@146,22.7 ; v1(138,65.3) SW5.4@138,67.3 SW5.3@146,67.3 ; v1(138,79.3) SW4.4@138,77.3 SW4.3@146,77.3
  Top Layer w0.4: v1(30.325,17.525) L5.1@30.325,15.875 33.4,15.875 U7.6@33.55,16.025 C72.2@33.55,18.525 C71.2@33.55,20.425 v1(33.55,22.075) ; v1(113.275,61.975) 111.7,60.4 v1(111.7,49.225) 116.7,49.225 118.45,47.475 v1(118.45,38.675)
  Top Layer w0.5: v1@40.35,40.95 D7.1@40.35,43.85 ; R13.1@76.175,74.275 v1@76.175,77.175 ; R15.1@79.15,74.275 v1@79.15,77.175
  Top Layer w0.9: v1@37.6,76.229 F2.2@37.6,78.4 v1@39.771,78.4 ; v1@58.9,27.5 F3.2@61.8,27.5 ; v1@61.8,24.6 F3.2@61.8,27.5 ; v1@64.7,27.5 F3.2@61.8,27.5
  Signal 1 w0.3: v1(14.5,81.175) 36.7,81.175 37.607,80.268 v1(37.607,76.222)
  Signal 1 w0.4: v1(134.469,56.85) v1(134.469,63.05)
  Bottom Layer w0.127: v1(14.325,16.575) C70.2@14.325,14.925 14.325,12.03 U6.8@14.4,11.955 ; R48.2@20.9,14.925 v1(20.9,16.575) ; C58.2@113.275,56.45 C65.2@113.275,59.45 ; C63.2@134.3,54.95 134.3,56.553 134.469,56.722 v1(134.469,56.85)
  Bottom Layer w0.2: v1(111.7,49.225) 111.7,48.125 C61.2@111.71,48.115 C60.2@111.71,46.715 115.007,46.715 115.272,46.45 U5.55@118.525,46.45 ; R20.2@112.425,67.45 114.575,67.45 115.275,68.15 v1(115.275,68.975) ; C58.2@113.275,56.45 U5.75@118.525,56.45 ; v1(113.275,61.975) C68.2@113.275,60.85 C65.2@113.275,59.45 U5.81@118.525,59.45 ; L3.1@113.425,80.3 C33.2@113.425,82.525 115.298,82.525 v1(115.303,82.521) ; v1(118.45,38.675) 119.6,38.675 119.825,38.9 119.825,43.05 119.425,43.45 U5.49@118.525,43.45 ; U5.43@129.925,40.95 C66.2@134.275,40.95 ; U5.41@129.925,41.95 133.973,41.95 C59.2@134.275,42.252 ; U5.35@129.925,44.95 C69.2@134.3,44.95 ; U5.29@129.925,47.95 132.072,47.95 132.947,47.075 C62.2@134.3,47.075 C69.2@134.3,44.95 ; U5.15@129.925,54.95 C63.2@134.3,54.95 C67.2@134.3,53.55 ; U5.9@129.925,57.95 C56.2@134.3,57.95 134.469,57.78 v1(134.469,56.85) ; U5.3@129.925,60.95 133.973,60.95 C57.2@134.275,60.648 ; U5.1@129.925,61.95 C64.2@134.275,61.95 ; v1(134.125,39.7) 134.125,40.8 C66.2@134.275,40.95 ; C57.2@134.3,60.525 134.275,60.55 C57.2@134.275,60.648 ; v1(134.469,63.05) 134.469,62.942 134.275,62.747 C64.2@134.275,61.95 ; C66.2@134.275,40.95 C59.2@134.275,42.252 ; C59.2@134.275,42.252 134.275,42.325 C59.2@134.3,42.35 C69.2@134.3,44.95 ; C57.2@134.275,60.648 C64.2@134.275,61.95
  Bottom Layer w0.3: v1(96.983,69.905) 96.987,69.9 C38.2@98.825,69.9 101.2,69.9 U8.1@101.375,69.725 U8.5@101.375,67.325 ; v1(109.25,11.675) L4.1@109.25,13.125 C45.2@109.25,15.525
  Bottom Layer w0.4: RT1.3@35.55,58.525 35.55,74.165 v1(37.607,76.222) ; P3.1@55.675,83.6 55.675,79.7 56.5,78.875 v1(60.675,78.875) ; v1(134.469,63.05) 134.469,64.694 135.075,65.3 v1(138,65.3)
  Bottom Layer w1: v1(39.778,78.407) 39.778,85.703 40.215,86.14 P3.2@55.675,86.14 P3.1@55.675,83.6
  other v1: 58.886,27.486 64.714,27.514 40.364,40.936 76.161,77.189 79.136,77.189
ADC.LRCK: U2.104 U3.3 | length 69.5
  Top Layer w0.127: v1(97.725,20.9) 98.926,20.9 99.175,21.149 99.175,25.8 97.75,27.225 U2.104@97.75,29.8
  Bottom Layer w0.127: v1(97.725,20.9) 99.478,20.9 107.304,28.726 107.304,59.629 109.563,61.888 109.563,70.587 109.225,70.925 107.875,70.925 107.625,71.175 U3.3@107.625,72.075
ADC.MCLK: U2.138 U3.4 | length 32.3
  Top Layer w0.127: U2.138@100.2,48.75 v1(104.2,48.75)
  Bottom Layer w0.127: v1(104.2,48.75) 106.025,48.75 107.05,49.775 107.05,59.734 109.25,61.934 109.25,70.475 109.1,70.625 107.575,70.625 107.125,71.075 U3.4@107.125,72.075
ADC.SCLK: U2.90 U3.2 | length 75.1
  Top Layer w0.127: U2.90@90.75,29.8 90.752,29.798 90.752,23.864 v1(90.754,23.862)
  Bottom Layer w0.127: v1(90.754,23.862) 90.75,23.858 90.75,21.075 91.6,20.225 99.3,20.225 107.65,28.575 107.65,59.6 109.817,61.767 109.817,70.692 109.33,71.179 108.331,71.179 108.125,71.384 U3.2@108.125,72.075
ADC.SDOUT: U2.36 U8.4 | length 59.3
  Top Layer w0.127: U2.36@69.8,40.25 69.825,40.275 75.725,40.275 v1(75.75,40.3)
  Bottom Layer w0.127: v1(75.75,40.3) 75.75,44.725 80.75,49.725 103.8,49.725 104.975,50.9 104.975,60.25 103.275,61.95 U8.4@103.275,67.325
BUTTON1: C77.2 R77.2 U2.167 | length 141.9
  Top Layer w0.127: U2.167@92.75,60.2 92.75,62.55 94,63.8 v1(94,71.95) ; v1(140.75,18.675) C77.2@140.75,20.025 R77.2@142.975,20.025
  Signal 2 w0.127: v1(94,71.95) 88.9,71.95 88.225,72.625 88.225,74.775 91.575,78.125 142.7,78.125 144.825,76 144.825,22.75 v1(140.75,18.675)
BUTTON2: C78.2 R78.2 U2.168 | length 130.2
  Top Layer w0.127: U2.168@92.25,60.2 92.25,62.575 93.377,63.702 v1(93.377,73.364) ; v1(140.75,28.675) C78.2@140.75,30.025 R78.2@142.975,30.025
  Signal 2 w0.127: v1(93.377,73.364) 91.627,73.364 90.829,72.566 89.207,72.566 88.725,73.048 88.725,74.325 91.925,77.525 141.725,77.525 143.975,75.275 143.975,30.025 142.625,28.675 v1(140.75,28.675)
BUTTON3: C80.2 R83.2 U2.169 | length 73.6
  Top Layer w0.127: U2.169@91.75,60.2 91.75,62.725 92.95,63.925 92.95,69.913 92.575,70.288 v1(92.575,74.3) ; v1(142.7,68.625) R83.2@142.7,69.975 C80.2@144.975,69.975
  Signal 2 w0.127: v1(92.575,74.3) 96.739,74.3 97.914,75.475 138.825,75.475 142.7,71.6 v1(142.7,68.625)
BUTTON4: C81.2 R84.2 U2.172 | length 89.8
  Top Layer w0.127: v1(89.85,73.625) 89.85,63.95 90.25,63.55 U2.172@90.25,60.2 ; v1(142.7,58.625) R84.2@142.7,59.975 C81.2@144.975,59.975
  Signal 2 w0.127: v1(89.85,73.625) 89.85,74.45 92.325,76.925 140.525,76.925 143.721,73.729 143.721,63.971 142.7,62.95 v1(142.7,58.625)